# KiCad board Polished Amethyst.kicad_pcb
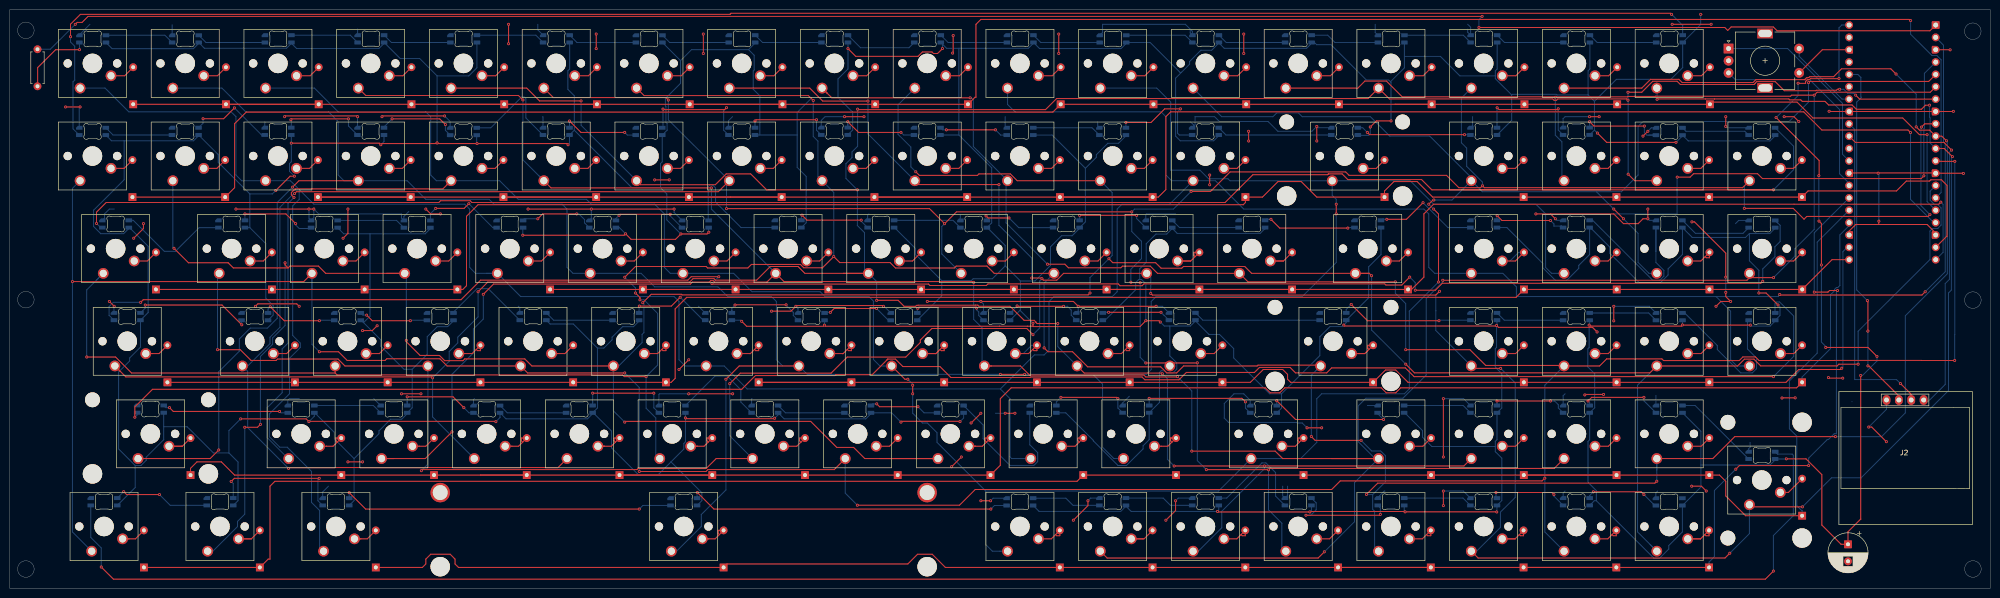
[diagram p0: board, top side]
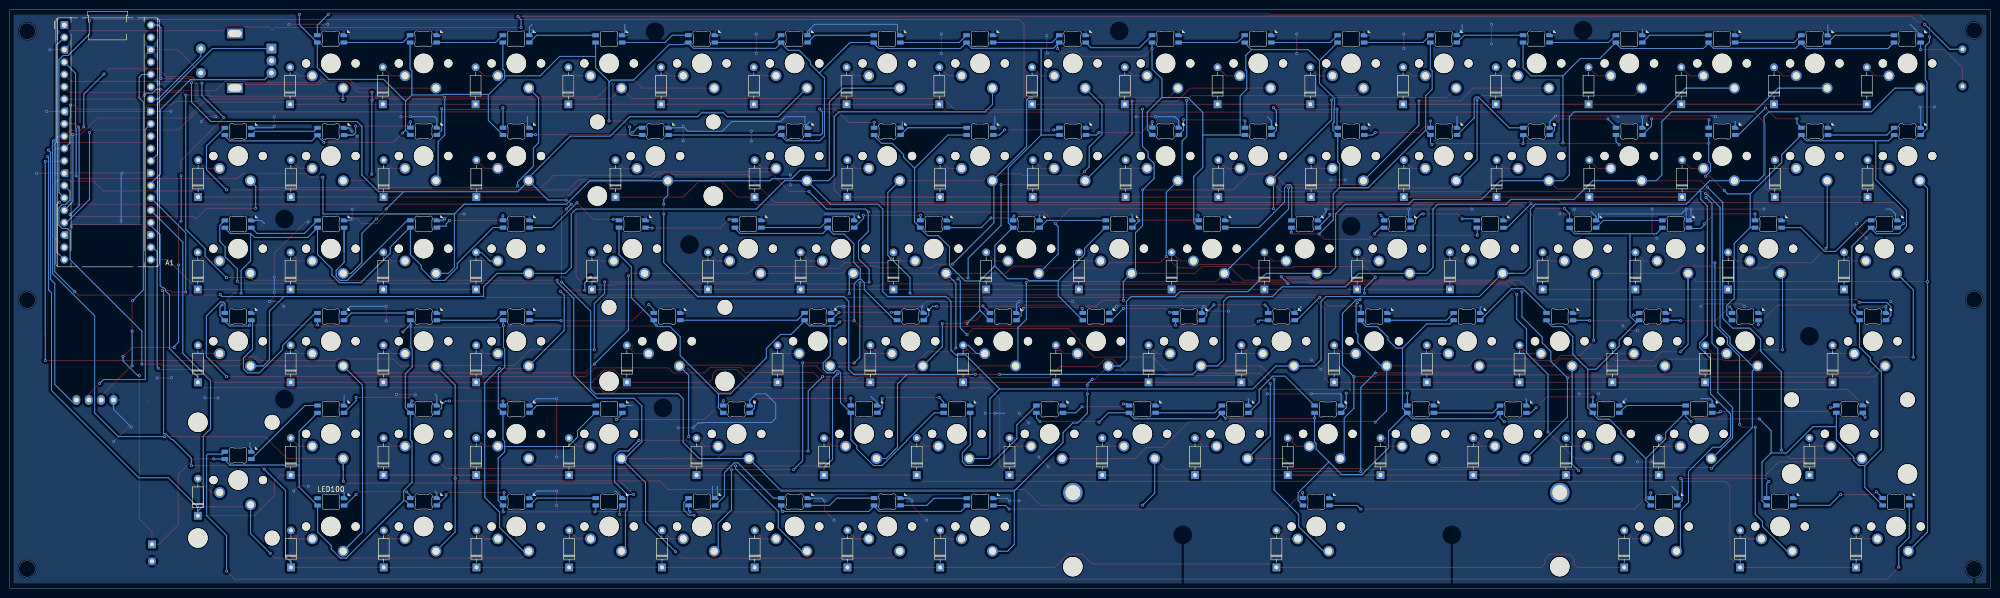
[diagram p1: board, bottom side, seen from below]

Outline 406.79 x 119 mm; copper layers: Top, Bottom. Coordinates in mm from the lower left corner of the outline.
Outline path: circle c3.31,114.76 r1.7 ; circle c3.31,59.36 r1.7 ; circle c3.31,3.96 r1.7 ; circle c403.2,114.58 r1.7 ; circle c403.21,59.27 r1.7 ; circle c403.23,3.97 r1.7 ; 0,0 0,119 406.79,119 406.79,0 0,0
Stack: Top 0.035mm / dielectric 1.51mm FR4 er 4.5 / Bottom 0.035mm

## Placement (name value [footprint] x y rotation side)
A1  RaspberryPi_Pico  [RaspberryPi_Pico_Common_THT]  395.58 115.85 180 bottom
C1  1000µF  [CP_Radial_D8.0mm_P3.50mm]  377.57 9.04 270 top
D1  D  [D_DO-35_SOD27_P7.62mm_Horizontal]  25.36 99.55 90 bottom
D2  D  [D_DO-35_SOD27_P7.62mm_Horizontal]  44.41 99.55 90 bottom
D3  D  [D_DO-35_SOD27_P7.62mm_Horizontal]  63.46 99.55 90 bottom
D4  D  [D_DO-35_SOD27_P7.62mm_Horizontal]  82.51 99.55 90 bottom
D5  D  [D_DO-35_SOD27_P7.62mm_Horizontal]  101.56 99.55 90 bottom
D6  D  [D_DO-35_SOD27_P7.62mm_Horizontal]  120.61 99.55 90 bottom
D7  D  [D_DO-35_SOD27_P7.62mm_Horizontal]  139.66 99.55 90 bottom
D8  D  [D_DO-35_SOD27_P7.62mm_Horizontal]  158.71 99.55 90 bottom
D9  D  [D_DO-35_SOD27_P7.62mm_Horizontal]  177.76 99.55 90 bottom
D10  D  [D_DO-35_SOD27_P7.62mm_Horizontal]  196.81 99.55 90 bottom
D11  D  [D_DO-35_SOD27_P7.62mm_Horizontal]  215.86 99.55 90 bottom
D12  D  [D_DO-35_SOD27_P7.62mm_Horizontal]  234.91 99.55 90 bottom
D13  D  [D_DO-35_SOD27_P7.62mm_Horizontal]  253.96 99.55 90 bottom
D14  D  [D_DO-35_SOD27_P7.62mm_Horizontal]  273.01 99.55 90 bottom
D15  D  [D_DO-35_SOD27_P7.62mm_Horizontal]  292.06 99.55 90 bottom
D16  D  [D_DO-35_SOD27_P7.62mm_Horizontal]  311.11 99.55 90 bottom
D17  D  [D_DO-35_SOD27_P7.62mm_Horizontal]  330.16 99.55 90 bottom
D18  D  [D_DO-35_SOD27_P7.62mm_Horizontal]  349.21 99.55 90 bottom
D19  D  [D_DO-35_SOD27_P7.62mm_Horizontal]  25.2 80.46 90 bottom
D20  D  [D_DO-35_SOD27_P7.62mm_Horizontal]  44.25 80.46 90 bottom
D21  D  [D_DO-35_SOD27_P7.62mm_Horizontal]  63.3 80.46 90 bottom
D22  D  [D_DO-35_SOD27_P7.62mm_Horizontal]  82.35 80.46 90 bottom
D23  D  [D_DO-35_SOD27_P7.62mm_Horizontal]  101.4 80.46 90 bottom
D24  D  [D_DO-35_SOD27_P7.62mm_Horizontal]  120.45 80.46 90 bottom
D25  D  [D_DO-35_SOD27_P7.62mm_Horizontal]  139.5 80.46 90 bottom
D26  D  [D_DO-35_SOD27_P7.62mm_Horizontal]  158.55 80.46 90 bottom
D27  D  [D_DO-35_SOD27_P7.62mm_Horizontal]  177.6 80.46 90 bottom
D28  D  [D_DO-35_SOD27_P7.62mm_Horizontal]  196.65 80.46 90 bottom
D29  D  [D_DO-35_SOD27_P7.62mm_Horizontal]  215.7 80.46 90 bottom
D30  D  [D_DO-35_SOD27_P7.62mm_Horizontal]  234.75 80.46 90 bottom
D31  D  [D_DO-35_SOD27_P7.62mm_Horizontal]  253.8 80.46 90 bottom
D32  D  [D_DO-35_SOD27_P7.62mm_Horizontal]  282.38 80.46 90 bottom
D33  D  [D_DO-35_SOD27_P7.62mm_Horizontal]  310.95 80.46 90 bottom
D34  D  [D_DO-35_SOD27_P7.62mm_Horizontal]  330 80.46 90 bottom
D35  D  [D_DO-35_SOD27_P7.62mm_Horizontal]  349.05 80.46 90 bottom
D36  D  [D_DO-35_SOD27_P7.62mm_Horizontal]  368.1 80.46 90 bottom
D37  D  [D_DO-35_SOD27_P7.62mm_Horizontal]  30.03 61.47 90 bottom
D38  D  [D_DO-35_SOD27_P7.62mm_Horizontal]  53.84 61.47 90 bottom
D39  D  [D_DO-35_SOD27_P7.62mm_Horizontal]  72.89 61.47 90 bottom
D40  D  [D_DO-35_SOD27_P7.62mm_Horizontal]  91.94 61.47 90 bottom
D41  D  [D_DO-35_SOD27_P7.62mm_Horizontal]  110.99 61.47 90 bottom
D42  D  [D_DO-35_SOD27_P7.62mm_Horizontal]  130.04 61.47 90 bottom
D43  D  [D_DO-35_SOD27_P7.62mm_Horizontal]  149.09 61.47 90 bottom
D44  D  [D_DO-35_SOD27_P7.62mm_Horizontal]  168.14 61.47 90 bottom
D45  D  [D_DO-35_SOD27_P7.62mm_Horizontal]  187.19 61.47 90 bottom
D46  D  [D_DO-35_SOD27_P7.62mm_Horizontal]  206.24 61.47 90 bottom
D47  D  [D_DO-35_SOD27_P7.62mm_Horizontal]  225.29 61.47 90 bottom
D48  D  [D_DO-35_SOD27_P7.62mm_Horizontal]  244.34 61.47 90 bottom
D49  D  [D_DO-35_SOD27_P7.62mm_Horizontal]  263.39 61.47 90 bottom
D50  D  [D_DO-35_SOD27_P7.62mm_Horizontal]  287.2 61.47 90 bottom
D51  D  [D_DO-35_SOD27_P7.62mm_Horizontal]  311.02 61.47 90 bottom
D52  D  [D_DO-35_SOD27_P7.62mm_Horizontal]  330.07 61.47 90 bottom
D53  D  [D_DO-35_SOD27_P7.62mm_Horizontal]  349.12 61.47 90 bottom
D54  D  [D_DO-35_SOD27_P7.62mm_Horizontal]  368.17 61.47 90 bottom
D55  D  [D_DO-35_SOD27_P7.62mm_Horizontal]  32.38 42.36 90 bottom
D56  D  [D_DO-35_SOD27_P7.62mm_Horizontal]  58.58 42.36 90 bottom
D57  D  [D_DO-35_SOD27_P7.62mm_Horizontal]  77.63 42.36 90 bottom
D58  D  [D_DO-35_SOD27_P7.62mm_Horizontal]  96.68 42.36 90 bottom
D59  D  [D_DO-35_SOD27_P7.62mm_Horizontal]  115.73 42.36 90 bottom
D60  D  [D_DO-35_SOD27_P7.62mm_Horizontal]  134.78 42.36 90 bottom
D61  D  [D_DO-35_SOD27_P7.62mm_Horizontal]  153.83 42.36 90 bottom
D62  D  [D_DO-35_SOD27_P7.62mm_Horizontal]  172.88 42.36 90 bottom
D63  D  [D_DO-35_SOD27_P7.62mm_Horizontal]  191.93 42.36 90 bottom
D64  D  [D_DO-35_SOD27_P7.62mm_Horizontal]  210.98 42.36 90 bottom
D65  D  [D_DO-35_SOD27_P7.62mm_Horizontal]  230.03 42.36 90 bottom
D66  D  [D_DO-35_SOD27_P7.62mm_Horizontal]  249.08 42.36 90 bottom
D67  D  [D_DO-35_SOD27_P7.62mm_Horizontal]  280.03 42.36 90 bottom
D68  D  [D_DO-35_SOD27_P7.62mm_Horizontal]  310.99 42.36 90 bottom
D69  D  [D_DO-35_SOD27_P7.62mm_Horizontal]  330.04 42.36 90 bottom
D70  D  [D_DO-35_SOD27_P7.62mm_Horizontal]  349.09 42.36 90 bottom
D71  D  [D_DO-35_SOD27_P7.62mm_Horizontal]  368.14 42.36 90 bottom
D72  D  [D_DO-35_SOD27_P7.62mm_Horizontal]  37.14 23.28 90 bottom
D73  D  [D_DO-35_SOD27_P7.62mm_Horizontal]  68.09 23.28 90 bottom
D74  D  [D_DO-35_SOD27_P7.62mm_Horizontal]  87.14 23.28 90 bottom
D75  D  [D_DO-35_SOD27_P7.62mm_Horizontal]  106.19 23.28 90 bottom
D76  D  [D_DO-35_SOD27_P7.62mm_Horizontal]  125.24 23.28 90 bottom
D77  D  [D_DO-35_SOD27_P7.62mm_Horizontal]  144.29 23.28 90 bottom
D78  D  [D_DO-35_SOD27_P7.62mm_Horizontal]  163.34 23.28 90 bottom
D79  D  [D_DO-35_SOD27_P7.62mm_Horizontal]  182.39 23.28 90 bottom
D80  D  [D_DO-35_SOD27_P7.62mm_Horizontal]  201.44 23.28 90 bottom
D81  D  [D_DO-35_SOD27_P7.62mm_Horizontal]  220.49 23.28 90 bottom
D82  D  [D_DO-35_SOD27_P7.62mm_Horizontal]  239.54 23.28 90 bottom
D83  D  [D_DO-35_SOD27_P7.62mm_Horizontal]  265.74 23.28 90 bottom
D84  D  [D_DO-35_SOD27_P7.62mm_Horizontal]  291.93 23.28 90 bottom
D85  D  [D_DO-35_SOD27_P7.62mm_Horizontal]  310.98 23.28 90 bottom
D86  D  [D_DO-35_SOD27_P7.62mm_Horizontal]  330.03 23.28 90 bottom
D87  D  [D_DO-35_SOD27_P7.62mm_Horizontal]  349.08 23.28 90 bottom
D88  D  [D_DO-35_SOD27_P7.62mm_Horizontal]  368.15 14.92 90 bottom
D89  D  [D_DO-35_SOD27_P7.62mm_Horizontal]  27.56 4.29 90 bottom
D90  D  [D_DO-35_SOD27_P7.62mm_Horizontal]  51.37 4.29 90 bottom
D91  D  [D_DO-35_SOD27_P7.62mm_Horizontal]  75.19 4.29 90 bottom
D92  D  [D_DO-35_SOD27_P7.62mm_Horizontal]  146.62 4.29 90 bottom
D93  D  [D_DO-35_SOD27_P7.62mm_Horizontal]  215.68 4.29 90 bottom
D94  D  [D_DO-35_SOD27_P7.62mm_Horizontal]  234.73 4.29 90 bottom
D95  D  [D_DO-35_SOD27_P7.62mm_Horizontal]  253.78 4.29 90 bottom
D96  D  [D_DO-35_SOD27_P7.62mm_Horizontal]  272.83 4.29 90 bottom
D97  D  [D_DO-35_SOD27_P7.62mm_Horizontal]  291.88 4.29 90 bottom
D98  D  [D_DO-35_SOD27_P7.62mm_Horizontal]  310.93 4.29 90 bottom
D99  D  [D_DO-35_SOD27_P7.62mm_Horizontal]  329.98 4.29 90 bottom
D100  D  [D_DO-35_SOD27_P7.62mm_Horizontal]  349.03 4.29 90 bottom
J2  OLED_128x64  [128x64OLED]  389.1 28.13 0 top
LED1  MX_SK6812MINI-E  [LED_MX_6028R]  17.04 113 0 bottom
LED2  MX_SK6812MINI-E  [LED_MX_6028R]  36.09 113 0 bottom
LED3  MX_SK6812MINI-E  [LED_MX_6028R]  55.13 113.01 0 bottom
LED4  MX_SK6812MINI-E  [LED_MX_6028R]  74.18 113.01 0 bottom
LED5  MX_SK6812MINI-E  [LED_MX_6028R]  93.24 113.01 0 bottom
LED6  MX_SK6812MINI-E  [LED_MX_6028R]  112.28 113.01 0 bottom
LED7  MX_SK6812MINI-E  [LED_MX_6028R]  131.34 113 0 bottom
LED8  MX_SK6812MINI-E  [LED_MX_6028R]  150.4 113.01 0 bottom
LED9  MX_SK6812MINI-E  [LED_MX_6028R]  169.45 113.01 0 bottom
LED10  MX_SK6812MINI-E  [LED_MX_6028R]  188.5 113.01 0 bottom
LED11  MX_SK6812MINI-E  [LED_MX_6028R]  207.55 113.01 0 bottom
LED12  MX_SK6812MINI-E  [LED_MX_6028R]  226.59 113 0 bottom
LED13  MX_SK6812MINI-E  [LED_MX_6028R]  245.64 113.01 0 bottom
LED14  MX_SK6812MINI-E  [LED_MX_6028R]  264.69 113.01 0 bottom
LED15  MX_SK6812MINI-E  [LED_MX_6028R]  283.73 113 0 bottom
LED16  MX_SK6812MINI-E  [LED_MX_6028R]  302.78 113.01 0 bottom
LED17  MX_SK6812MINI-E  [LED_MX_6028R]  321.83 113.01 0 bottom
LED18  MX_SK6812MINI-E  [LED_MX_6028R]  340.89 113.01 0 bottom
LED19  MX_SK6812MINI-E  [LED_MX_6028R]  17.01 93.97 0 bottom
LED20  MX_SK6812MINI-E  [LED_MX_6028R]  36.06 93.98 0 bottom
LED21  MX_SK6812MINI-E  [LED_MX_6028R]  55.11 93.99 0 bottom
LED22  MX_SK6812MINI-E  [LED_MX_6028R]  74.15 93.98 0 bottom
LED23  MX_SK6812MINI-E  [LED_MX_6028R]  93.19 93.96 0 bottom
LED24  MX_SK6812MINI-E  [LED_MX_6028R]  112.25 93.98 0 bottom
LED25  MX_SK6812MINI-E  [LED_MX_6028R]  131.3 93.97 0 bottom
LED26  MX_SK6812MINI-E  [LED_MX_6028R]  150.34 93.98 0 bottom
LED27  MX_SK6812MINI-E  [LED_MX_6028R]  169.41 94 0 bottom
LED28  MX_SK6812MINI-E  [LED_MX_6028R]  188.45 93.98 0 bottom
LED29  MX_SK6812MINI-E  [LED_MX_6028R]  207.51 93.97 0 bottom
LED30  MX_SK6812MINI-E  [LED_MX_6028R]  226.53 93.97 0 bottom
LED31  MX_SK6812MINI-E  [LED_MX_6028R]  245.59 93.98 0 bottom
LED32  MX_SK6812MINI-E  [LED_MX_6028R]  274.17 93.98 0 bottom
LED33  MX_SK6812MINI-E  [LED_MX_6028R]  302.75 93.98 0 bottom
LED34  MX_SK6812MINI-E  [LED_MX_6028R]  321.78 94 0 bottom
LED35  MX_SK6812MINI-E  [LED_MX_6028R]  340.85 93.96 0 bottom
LED36  MX_SK6812MINI-E  [LED_MX_6028R]  359.88 93.97 0 bottom
LED37  MX_SK6812MINI-E  [LED_MX_6028R]  21.74 74.93 0 bottom
LED38  MX_SK6812MINI-E  [LED_MX_6028R]  45.59 74.93 0 bottom
LED39  MX_SK6812MINI-E  [LED_MX_6028R]  64.62 74.92 0 bottom
LED40  MX_SK6812MINI-E  [LED_MX_6028R]  83.68 74.91 0 bottom
LED41  MX_SK6812MINI-E  [LED_MX_6028R]  102.72 74.92 0 bottom
LED42  MX_SK6812MINI-E  [LED_MX_6028R]  121.77 74.92 0 bottom
LED43  MX_SK6812MINI-E  [LED_MX_6028R]  140.82 74.92 0 bottom
LED44  MX_SK6812MINI-E  [LED_MX_6028R]  159.87 74.94 0 bottom
LED45  MX_SK6812MINI-E  [LED_MX_6028R]  178.93 74.93 0 bottom
LED46  MX_SK6812MINI-E  [LED_MX_6028R]  197.98 74.92 0 bottom
LED47  MX_SK6812MINI-E  [LED_MX_6028R]  217.03 74.93 0 bottom
LED48  MX_SK6812MINI-E  [LED_MX_6028R]  236.06 74.93 0 bottom
LED49  MX_SK6812MINI-E  [LED_MX_6028R]  255.13 74.94 0 bottom
LED50  MX_SK6812MINI-E  [LED_MX_6028R]  278.93 74.94 0 bottom
LED51  MX_SK6812MINI-E  [LED_MX_6028R]  302.74 74.94 0 bottom
LED52  MX_SK6812MINI-E  [LED_MX_6028R]  321.78 74.94 0 bottom
LED53  MX_SK6812MINI-E  [LED_MX_6028R]  340.84 74.93 0 bottom
LED54  MX_SK6812MINI-E  [LED_MX_6028R]  359.89 74.92 0 bottom
LED55  MX_SK6812MINI-E  [LED_MX_6028R]  24.13 55.89 0 bottom
LED56  MX_SK6812MINI-E  [LED_MX_6028R]  50.33 55.88 0 bottom
LED57  MX_SK6812MINI-E  [LED_MX_6028R]  69.38 55.88 0 bottom
LED58  MX_SK6812MINI-E  [LED_MX_6028R]  88.42 55.88 0 bottom
LED59  MX_SK6812MINI-E  [LED_MX_6028R]  107.49 55.89 0 bottom
LED60  MX_SK6812MINI-E  [LED_MX_6028R]  126.54 55.88 0 bottom
LED61  MX_SK6812MINI-E  [LED_MX_6028R]  145.59 55.89 0 bottom
LED62  MX_SK6812MINI-E  [LED_MX_6028R]  164.64 55.88 0 bottom
LED63  MX_SK6812MINI-E  [LED_MX_6028R]  183.68 55.88 0 bottom
LED64  MX_SK6812MINI-E  [LED_MX_6028R]  202.74 55.88 0 bottom
LED65  MX_SK6812MINI-E  [LED_MX_6028R]  221.78 55.89 0 bottom
LED66  MX_SK6812MINI-E  [LED_MX_6028R]  240.82 55.9 0 bottom
LED67  MX_SK6812MINI-E  [LED_MX_6028R]  271.78 55.89 0 bottom
LED68  MX_SK6812MINI-E  [LED_MX_6028R]  302.75 55.89 0 bottom
LED69  MX_SK6812MINI-E  [LED_MX_6028R]  321.79 55.88 0 bottom
LED70  MX_SK6812MINI-E  [LED_MX_6028R]  340.85 55.88 0 bottom
LED71  MX_SK6812MINI-E  [LED_MX_6028R]  359.89 55.88 0 bottom
LED72  MX_SK6812MINI-E  [LED_MX_6028R]  28.9 36.86 0 bottom
LED73  MX_SK6812MINI-E  [LED_MX_6028R]  59.84 36.84 0 bottom
LED74  MX_SK6812MINI-E  [LED_MX_6028R]  78.91 36.84 0 bottom
LED75  MX_SK6812MINI-E  [LED_MX_6028R]  97.98 36.83 0 bottom
LED76  MX_SK6812MINI-E  [LED_MX_6028R]  117 36.84 0 bottom
LED77  MX_SK6812MINI-E  [LED_MX_6028R]  136.06 36.83 0 bottom
LED78  MX_SK6812MINI-E  [LED_MX_6028R]  155.1 36.84 0 bottom
LED79  MX_SK6812MINI-E  [LED_MX_6028R]  174.17 36.84 0 bottom
LED80  MX_SK6812MINI-E  [LED_MX_6028R]  193.2 36.84 0 bottom
LED81  MX_SK6812MINI-E  [LED_MX_6028R]  212.24 36.84 0 bottom
LED82  MX_SK6812MINI-E  [LED_MX_6028R]  231.31 36.85 0 bottom
LED83  MX_SK6812MINI-E  [LED_MX_6028R]  257.51 36.83 0 bottom
LED84  MX_SK6812MINI-E  [LED_MX_6028R]  283.68 36.85 0 bottom
LED85  MX_SK6812MINI-E  [LED_MX_6028R]  302.75 36.84 0 bottom
LED86  MX_SK6812MINI-E  [LED_MX_6028R]  321.79 36.84 0 bottom
LED87  MX_SK6812MINI-E  [LED_MX_6028R]  340.85 36.84 0 bottom
LED88  MX_SK6812MINI-E  [LED_MX_6028R]  359.89 27.34 0 bottom
LED89  MX_SK6812MINI-E  [LED_MX_6028R]  19.37 17.8 0 bottom
LED90  MX_SK6812MINI-E  [LED_MX_6028R]  43.19 17.8 0 bottom
LED91  MX_SK6812MINI-E  [LED_MX_6028R]  67 17.79 0 bottom
LED92  MX_SK6812MINI-E  [LED_MX_6028R]  138.45 17.79 0 bottom
LED93  MX_SK6812MINI-E  [LED_MX_6028R]  207.48 17.78 0 bottom
LED94  MX_SK6812MINI-E  [LED_MX_6028R]  226.54 17.8 0 bottom
LED95  MX_SK6812MINI-E  [LED_MX_6028R]  245.6 17.8 0 bottom
LED96  MX_SK6812MINI-E  [LED_MX_6028R]  264.64 17.8 0 bottom
LED97  MX_SK6812MINI-E  [LED_MX_6028R]  283.7 17.8 0 bottom
LED98  MX_SK6812MINI-E  [LED_MX_6028R]  302.74 17.79 0 bottom
LED99  MX_SK6812MINI-E  [LED_MX_6028R]  321.79 17.8 0 bottom
LED100  MX_SK6812MINI-E  [LED_MX_6028R]  340.83 17.77 0 bottom
R1  330  [R_Axial_DIN0207_L6.3mm_D2.5mm_P7.62mm_Horizontal]  5.7 110.87 270 top
S1  MX_stab  [STAB_MX_P_6.25u]  138.42 12.69 0 top
S2  MX_stab  [STAB_MX_2u]  28.9 31.78 0 top
S3  MX_stab  [STAB_MX_2u]  359.88 22.23 90 top
S4  MX_stab  [STAB_MX_2u]  271.79 50.81 0 top
S5  MX_stab  [STAB_MX_2u]  274.18 88.94 0 top
SW1  SW_Push_45deg  [SW_Cherry_MX_1.00u_PCB]  14.45 102.88 180 top
SW2  SW_Push_45deg  [SW_Cherry_MX_1.00u_PCB]  33.5 102.88 180 top
SW3  SW_Push_45deg  [SW_Cherry_MX_1.00u_PCB]  52.55 102.88 180 top
SW4  SW_Push_45deg  [SW_Cherry_MX_1.00u_PCB]  71.6 102.88 180 top
SW5  SW_Push_45deg  [SW_Cherry_MX_1.00u_PCB]  90.65 102.88 180 top
SW6  SW_Push_45deg  [SW_Cherry_MX_1.00u_PCB]  109.7 102.88 180 top
SW7  SW_Push_45deg  [SW_Cherry_MX_1.00u_PCB]  128.75 102.88 180 top
SW8  SW_Push_45deg  [SW_Cherry_MX_1.00u_PCB]  147.8 102.88 180 top
SW9  SW_Push_45deg  [SW_Cherry_MX_1.00u_PCB]  166.85 102.88 180 top
SW10  SW_Push_45deg  [SW_Cherry_MX_1.00u_PCB]  185.9 102.88 180 top
SW11  SW_Push_45deg  [SW_Cherry_MX_1.00u_PCB]  204.95 102.88 180 top
SW12  SW_Push_45deg  [SW_Cherry_MX_1.00u_PCB]  224 102.88 180 top
SW13  SW_Push_45deg  [SW_Cherry_MX_1.00u_PCB]  243.05 102.88 180 top
SW14  SW_Push_45deg  [SW_Cherry_MX_1.00u_PCB]  262.1 102.88 180 top
SW15  SW_Push_45deg  [SW_Cherry_MX_1.00u_PCB]  281.15 102.88 180 top
SW16  SW_Push_45deg  [SW_Cherry_MX_1.00u_PCB]  300.2 102.88 180 top
SW17  SW_Push_45deg  [SW_Cherry_MX_1.00u_PCB]  319.25 102.88 180 top
SW18  SW_Push_45deg  [SW_Cherry_MX_1.00u_PCB]  338.3 102.88 180 top
SW19  SW_Push_45deg  [SW_Cherry_MX_1.00u_PCB]  14.45 83.83 180 top
SW20  SW_Push_45deg  [SW_Cherry_MX_1.00u_PCB]  33.5 83.83 180 top
SW21  SW_Push_45deg  [SW_Cherry_MX_1.00u_PCB]  52.55 83.83 180 top
SW22  SW_Push_45deg  [SW_Cherry_MX_1.00u_PCB]  71.6 83.83 180 top
SW23  SW_Push_45deg  [SW_Cherry_MX_1.00u_PCB]  90.65 83.83 180 top
SW24  SW_Push_45deg  [SW_Cherry_MX_1.00u_PCB]  109.7 83.83 180 top
SW25  SW_Push_45deg  [SW_Cherry_MX_1.00u_PCB]  128.75 83.83 180 top
SW26  SW_Push_45deg  [SW_Cherry_MX_1.00u_PCB]  147.8 83.83 180 top
SW27  SW_Push_45deg  [SW_Cherry_MX_1.00u_PCB]  166.85 83.83 180 top
SW28  SW_Push_45deg  [SW_Cherry_MX_1.00u_PCB]  185.9 83.83 180 top
SW29  SW_Push_45deg  [SW_Cherry_MX_1.00u_PCB]  204.95 83.83 180 top
SW30  SW_Push_45deg  [SW_Cherry_MX_1.00u_PCB]  224 83.83 180 top
SW31  SW_Push_45deg  [SW_Cherry_MX_1.00u_PCB]  243.05 83.83 180 top
SW32  SW_Push_45deg  [SW_Cherry_MX_1.00u_PCB]  271.63 83.82 180 top
SW33  SW_Push_45deg  [SW_Cherry_MX_1.00u_PCB]  300.2 83.83 180 top
SW34  SW_Push_45deg  [SW_Cherry_MX_1.00u_PCB]  319.25 83.83 180 top
SW35  SW_Push_45deg  [SW_Cherry_MX_1.00u_PCB]  338.3 83.83 180 top
SW36  SW_Push_45deg  [SW_Cherry_MX_1.00u_PCB]  357.35 83.83 180 top
SW37  SW_Push_45deg  [SW_Cherry_MX_1.00u_PCB]  19.21 64.78 180 top
SW38  SW_Push_45deg  [SW_Cherry_MX_1.00u_PCB]  43.02 64.78 180 top
SW39  SW_Push_45deg  [SW_Cherry_MX_1.00u_PCB]  62.07 64.78 180 top
SW40  SW_Push_45deg  [SW_Cherry_MX_1.00u_PCB]  81.12 64.78 180 top
SW41  SW_Push_45deg  [SW_Cherry_MX_1.00u_PCB]  100.17 64.78 180 top
SW42  SW_Push_45deg  [SW_Cherry_MX_1.00u_PCB]  119.22 64.78 180 top
SW43  SW_Push_45deg  [SW_Cherry_MX_1.00u_PCB]  138.27 64.78 180 top
SW44  SW_Push_45deg  [SW_Cherry_MX_1.00u_PCB]  157.32 64.78 180 top
SW45  SW_Push_45deg  [SW_Cherry_MX_1.00u_PCB]  176.37 64.78 180 top
SW46  SW_Push_45deg  [SW_Cherry_MX_1.00u_PCB]  195.42 64.78 180 top
SW47  SW_Push_45deg  [SW_Cherry_MX_1.00u_PCB]  214.47 64.78 180 top
SW48  SW_Push_45deg  [SW_Cherry_MX_1.00u_PCB]  233.52 64.78 180 top
SW49  SW_Push_45deg  [SW_Cherry_MX_1.00u_PCB]  252.57 64.78 180 top
SW50  SW_Push_45deg  [SW_Cherry_MX_1.00u_PCB]  276.39 64.78 180 top
SW51  SW_Push_45deg  [SW_Cherry_MX_1.00u_PCB]  300.2 64.78 180 top
SW52  SW_Push_45deg  [SW_Cherry_MX_1.00u_PCB]  319.25 64.78 180 top
SW53  SW_Push_45deg  [SW_Cherry_MX_1.00u_PCB]  338.3 64.78 180 top
SW54  SW_Push_45deg  [SW_Cherry_MX_1.00u_PCB]  357.35 64.78 180 top
SW55  SW_Push_45deg  [SW_Cherry_MX_1.00u_PCB]  21.59 45.73 180 top
SW56  SW_Push_45deg  [SW_Cherry_MX_1.00u_PCB]  47.79 45.73 180 top
SW57  SW_Push_45deg  [SW_Cherry_MX_1.00u_PCB]  66.84 45.73 180 top
SW58  SW_Push_45deg  [SW_Cherry_MX_1.00u_PCB]  85.89 45.73 180 top
SW59  SW_Push_45deg  [SW_Cherry_MX_1.00u_PCB]  104.94 45.73 180 top
SW60  SW_Push_45deg  [SW_Cherry_MX_1.00u_PCB]  123.99 45.73 180 top
SW61  SW_Push_45deg  [SW_Cherry_MX_1.00u_PCB]  143.04 45.73 180 top
SW62  SW_Push_45deg  [SW_Cherry_MX_1.00u_PCB]  162.09 45.73 180 top
SW63  SW_Push_45deg  [SW_Cherry_MX_1.00u_PCB]  181.14 45.73 180 top
SW64  SW_Push_45deg  [SW_Cherry_MX_1.00u_PCB]  200.19 45.73 180 top
SW65  SW_Push_45deg  [SW_Cherry_MX_1.00u_PCB]  219.24 45.73 180 top
SW66  SW_Push_45deg  [SW_Cherry_MX_1.00u_PCB]  238.29 45.73 180 top
SW67  SW_Push_45deg  [SW_Cherry_MX_1.00u_PCB]  269.24 45.73 180 top
SW68  SW_Push_45deg  [SW_Cherry_MX_1.00u_PCB]  300.2 45.73 180 top
SW69  SW_Push_45deg  [SW_Cherry_MX_1.00u_PCB]  319.25 45.73 180 top
SW70  SW_Push_45deg  [SW_Cherry_MX_1.00u_PCB]  338.3 45.73 180 top
SW71  SW_Push_45deg  [SW_Cherry_MX_1.00u_PCB]  357.35 45.73 180 top
SW72  SW_Push_45deg  [SW_Cherry_MX_1.00u_PCB]  26.35 26.68 180 top
SW73  SW_Push_45deg  [SW_Cherry_MX_1.00u_PCB]  57.31 26.68 180 top
SW74  SW_Push_45deg  [SW_Cherry_MX_1.00u_PCB]  76.36 26.68 180 top
SW75  SW_Push_45deg  [SW_Cherry_MX_1.00u_PCB]  95.41 26.68 180 top
SW76  SW_Push_45deg  [SW_Cherry_MX_1.00u_PCB]  114.46 26.68 180 top
SW77  SW_Push_45deg  [SW_Cherry_MX_1.00u_PCB]  133.51 26.68 180 top
SW78  SW_Push_45deg  [SW_Cherry_MX_1.00u_PCB]  152.56 26.68 180 top
SW79  SW_Push_45deg  [SW_Cherry_MX_1.00u_PCB]  171.61 26.68 180 top
SW80  SW_Push_45deg  [SW_Cherry_MX_1.00u_PCB]  190.66 26.68 180 top
SW81  SW_Push_45deg  [SW_Cherry_MX_1.00u_PCB]  209.71 26.68 180 top
SW82  SW_Push_45deg  [SW_Cherry_MX_1.00u_PCB]  228.76 26.68 180 top
SW83  SW_Push_45deg  [SW_Cherry_MX_1.00u_PCB]  254.96 26.68 180 top
SW84  SW_Push_45deg  [SW_Cherry_MX_1.00u_PCB]  281.15 26.68 180 top
SW85  SW_Push_45deg  [SW_Cherry_MX_1.00u_PCB]  300.2 26.68 180 top
SW86  SW_Push_45deg  [SW_Cherry_MX_1.00u_PCB]  319.25 26.68 180 top
SW87  SW_Push_45deg  [SW_Cherry_MX_1.00u_PCB]  338.3 26.68 180 top
SW88  SW_Push_45deg  [SW_Cherry_MX_1.00u_PCB]  357.32 17.18 180 top
SW89  SW_Push_45deg  [SW_Cherry_MX_1.00u_PCB]  16.83 7.63 180 top
SW90  SW_Push_45deg  [SW_Cherry_MX_1.00u_PCB]  40.64 7.63 180 top
SW91  SW_Push_45deg  [SW_Cherry_MX_1.00u_PCB]  64.46 7.63 180 top
SW92  SW_Push_45deg  [SW_Cherry_MX_1.00u_PCB]  135.89 7.63 180 top
SW93  SW_Push_45deg  [SW_Cherry_MX_1.00u_PCB]  204.95 7.63 180 top
SW94  SW_Push_45deg  [SW_Cherry_MX_1.00u_PCB]  224 7.63 180 top
SW95  SW_Push_45deg  [SW_Cherry_MX_1.00u_PCB]  243.05 7.63 180 top
SW96  SW_Push_45deg  [SW_Cherry_MX_1.00u_PCB]  262.1 7.63 180 top
SW97  SW_Push_45deg  [SW_Cherry_MX_1.00u_PCB]  281.15 7.63 180 top
SW98  SW_Push_45deg  [SW_Cherry_MX_1.00u_PCB]  300.2 7.63 180 top
SW99  SW_Push_45deg  [SW_Cherry_MX_1.00u_PCB]  319.25 7.63 180 top
SW100  SW_Push_45deg  [SW_Cherry_MX_1.00u_PCB]  338.3 7.63 180 top
SW101  RotaryEncoder_Switch  [RotaryEncoder_Alps_EC11E-Switch_Vertical_H20mm]  353.04 111.01 0 top

## Library data of the parts
A1 = -: Datasheet: https://datasheets.raspberrypi.com/pico/pico-datasheet.pdf; Description: Versatile and inexpensive microcontroller module powered by RP2040 dual-core Arm Cortex-M0+ processor up to 133 MHz, 264kB SRAM, 2MB QSPI flash; also supports Raspberry Pi Pico 2; ki_fp_filters: RaspberryPi?Pico?Common* RaspberryPi?Pico?SMD*
C1 = -: Description: Polarized capacitor; ki_fp_filters: CP_*
D1-D100 = -: Description: Diode; Sim.Pins: 1=K 2=A; ki_fp_filters: TO-???* *_Diode_* *SingleDiode* D_*
LED1-LED100 = -: Description: Reverse mount adressable LED (WS2812 protocol)
R1 = -: Description: Resistor; ki_fp_filters: R_*
S1-S5 = -: Description: Cherry MX-style stabilizer
SW1-SW100 = -: Description: Push button switch, normally open, two pins, 45° tilted
SW101 = -: Description: Rotary encoder, dual channel, incremental quadrate outputs, with switch; ki_fp_filters: RotaryEncoder*Switch*
